# Altium PCB spd150.PcbDoc (part 1 of 16) (continued)
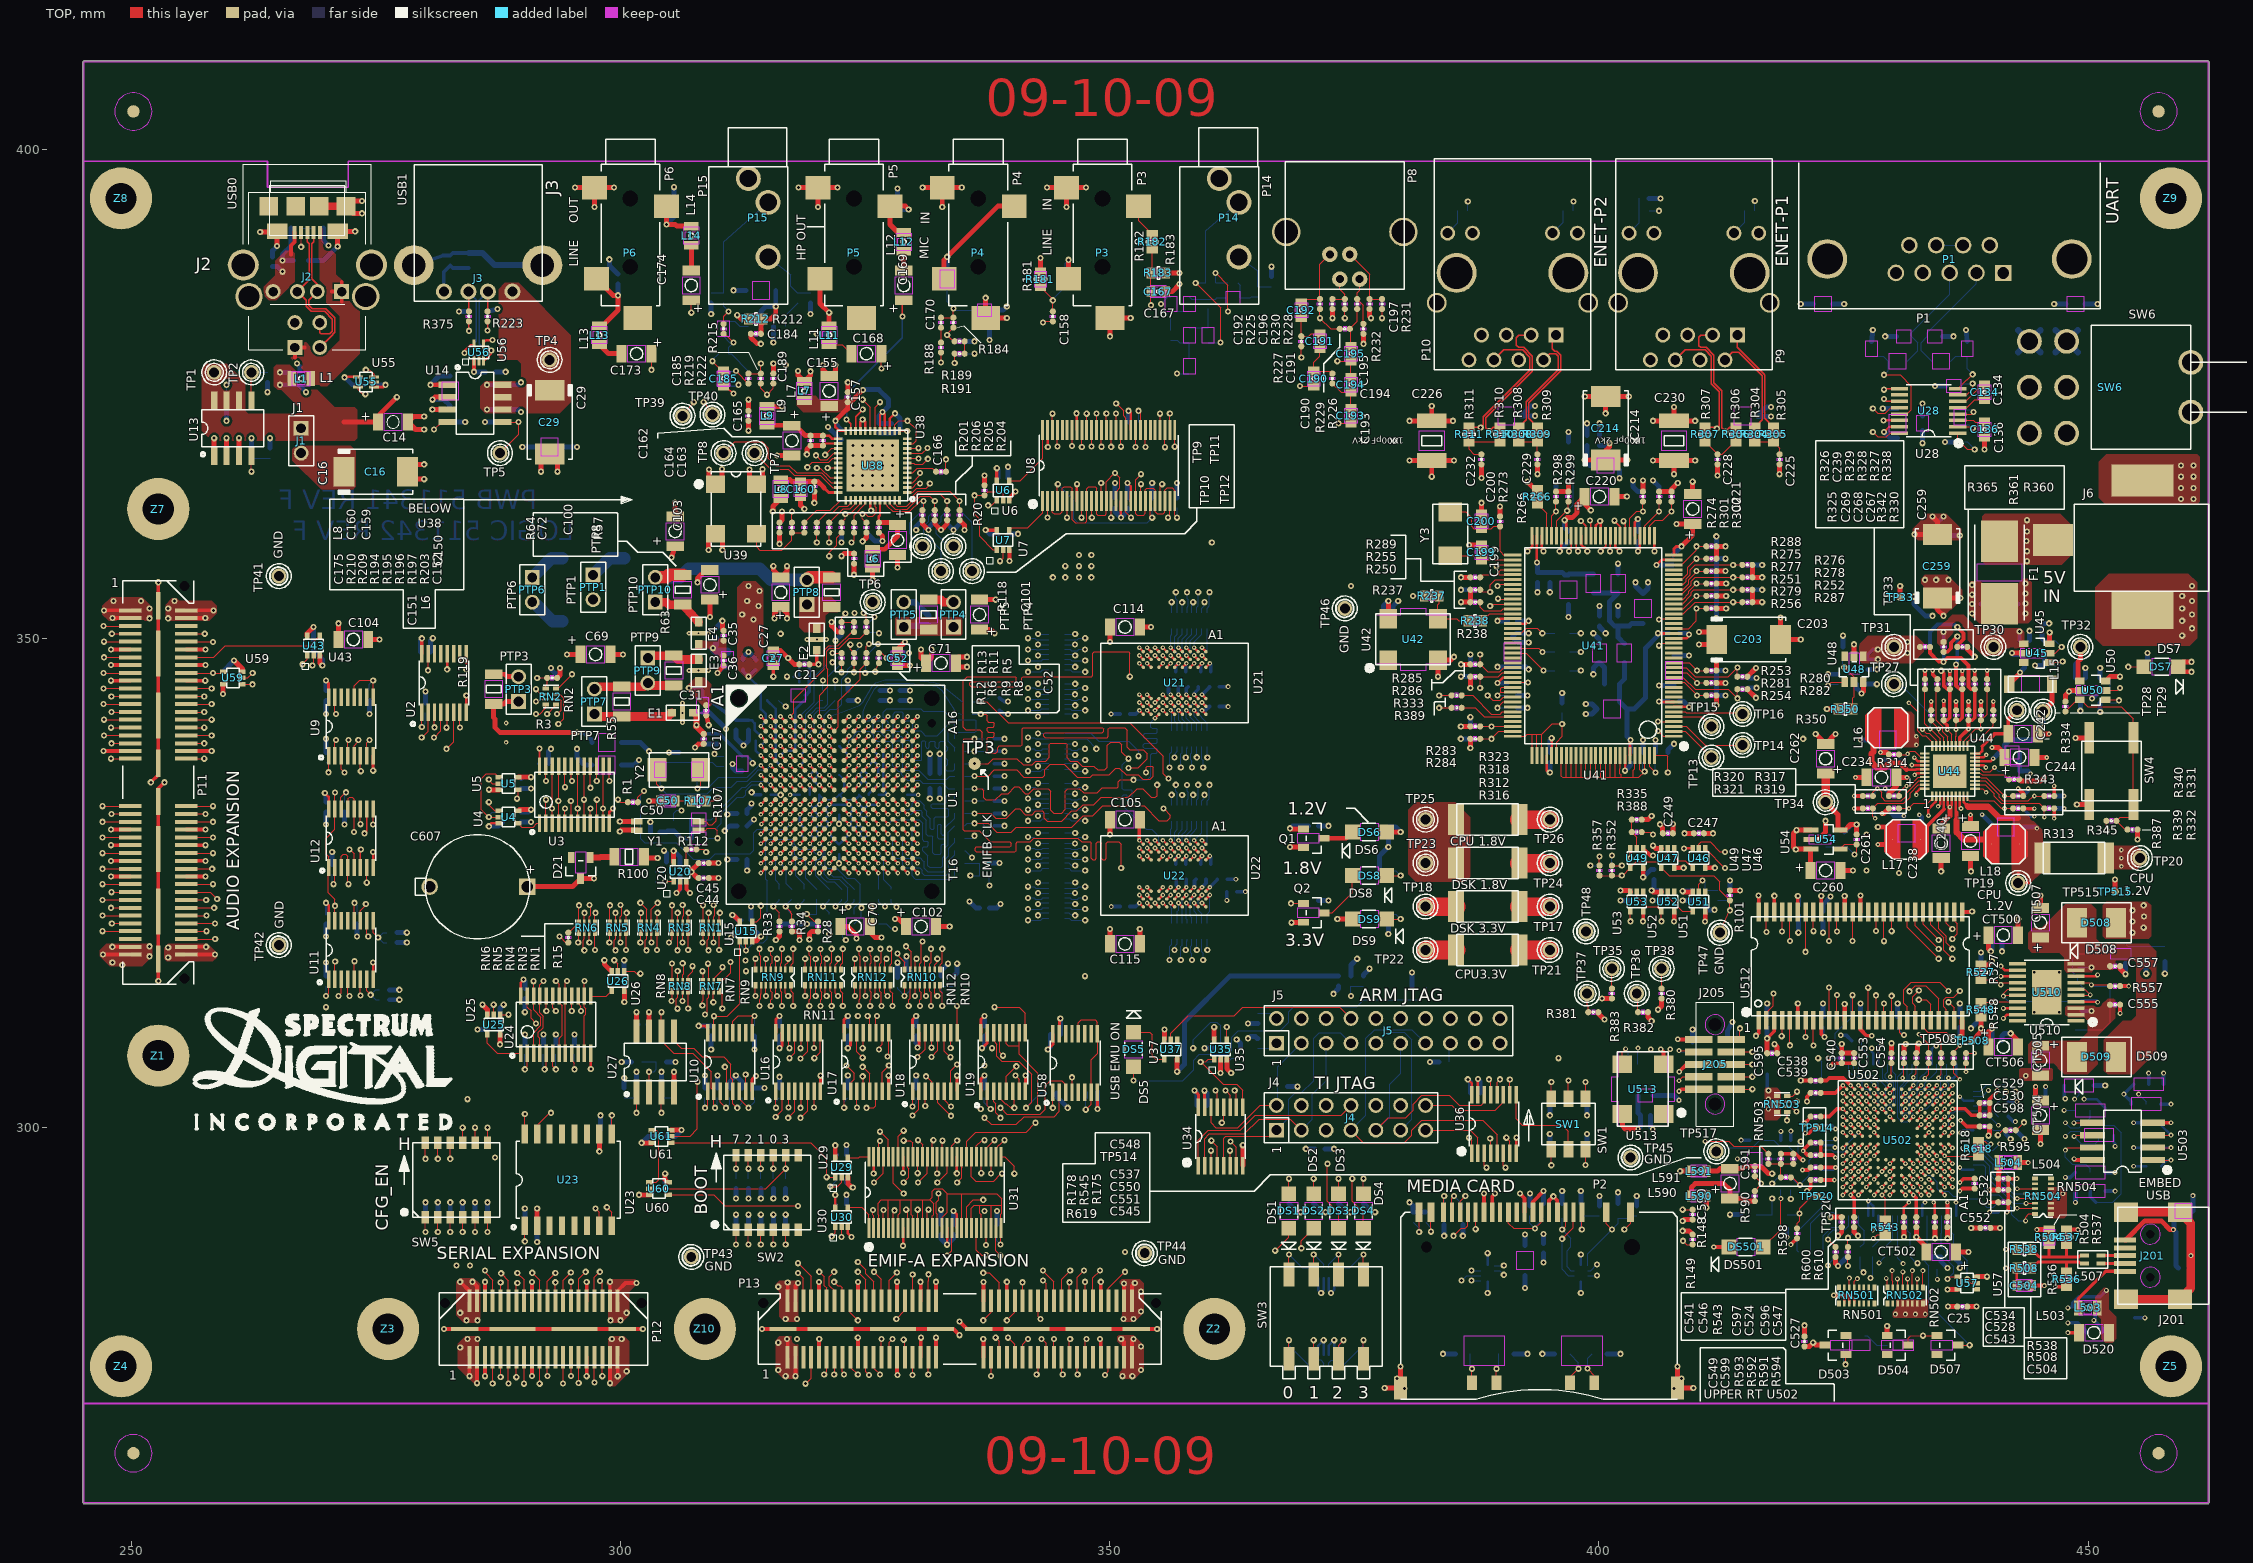
[diagram p0: TOP view]
## Components (designator, comment, footprint, x,y, rotation, side; value= is the part's Value field where it differs from the comment) (continued)
C223 "CAP NP_C402-25_0.1UF" C402-25#1 407.543,358.013 r90 bottom
C224 "CAP NP_C402-25_0.1UF" C402-25#1 396.875,360.426 r90 bottom
C225 "CAP NP_C402-25_0.1UF" C402-25#2 418.465,368.3 r270 top
C226 "CAP NP_EIA1812_1000PF 2KV" EIA1812 382.905,370.205 r180 top
C227 "CAPACITOR POL_0_C1206-40X70-POL" C1206-40X70-POL#1 390.525,372.745 r180 bottom
C228 "CAP NP_C402-25_0.1UF" C402-25#2 412.115,368.3 r270 top
C229 "CAP NP_C402-25_0.1UF" C402-25#2 393.7,368.3 r270 top
C230 "CAP NP_EIA1812_1000PF 2KV" EIA1812 407.67,370.205 r180 top
C231 "CAPACITOR POL_0_C1206-40X70-POL" C1206-40X70-POL#1 414.655,372.745 r180 bottom
C232 "CAP NP_C402-25_0.1UF" C402-25#2 387.985,368.3 r270 top
C233 "CAP NP_2_C402-25_.1UF" C402-25#1 268.605,349.25 r90 bottom
C234 "CAP P_0_C1206-40X70-POL_10UF" C1206-40X70-POL#2 428.879,335.788 r180 top
C235 "CAP NP_C402-25_0.1UF" C402-25#1 430.149,333.883 r0 bottom
C236 "CAP P_0_C1206-40X70_22UF" C1206-40X70#2 429.514,339.598 r0 bottom
C237 "CAP P_0_C1206-40X70_22UF" C1206-40X70#2 431.419,330.073 r180 bottom
C238 "CAP P_0_C1206-40X70-POL_10UF" C1206-40X70-POL#2 434.975,329.057 r270 top
C239 "CAP NP_C402-25_0.001UF" C402-25#2 434.594,345.313 r90 top
C240 "CAP P_0_C1206-40X70-POL_10UF" C1206-40X70-POL#2 437.972,329.286 r270 top
C241 "CAP P_0_C1206-40X70_22UF" C1206-40X70#2 441.579,330.708 r0 bottom
C242 "CAP P_0_C1206-40X70_22UF" C1206-40X70#1 443.357,340.233 r0 top
C243 "CAP P_0_C603-35X45_2.2UF" C603-35X45#1 442.214,338.328 r180 bottom
C244 "CAP P_0_C1206-40X70-POL_10UF" C1206-40X70-POL#2 442.976,337.82 r0 top
C245 "CAP P_0_C603-35X45_2.2UF" C603-35X45#1 442.214,336.423 r180 bottom
C246 "CAP NP_2_C402-25_0.1UF" C402-25#1 443.484,347.853 r270 bottom
C247 "CAP NP_0_C402-25_0.1UF" C402-25#2 410.21,330.073 r180 top
C248 "CAP NP_2_C402-25_0.1UF" C402-25#1 446.024,347.218 r0 bottom
C249 "CAP NP_0_C402-25_0.1UF" C402-25#2 407.035,330.073 r180 top
C250 "CAP NP_2_C402-25_0.1UF" C402-25#1 426.847,345.313 r180 bottom
C251 "CAP NP_0_C402-25_0.1UF" C402-25#1 405.638,325.882 r90 bottom
C252 "CAP NP_2_C402-25_0.1UF" C402-25#1 424.434,345.821 r270 bottom
C253 "CAP NP_2_C402-25_0.1UF" C402-25#1 449.199,344.043 r270 bottom
C254 "CAP NP_2_C402-25_0.1UF" C402-25#1 451.739,343.408 r0 bottom
C255 "CAP NP_2_C402-25_.1UF" C402-25#1 403.225,323.723 r270 bottom
C256 "CAP NP_0_C402-25_0.1UF" C402-25#1 409.575,323.723 r270 bottom
C257 "CAP NP_0_C402-25_0.1UF" C402-25#1 406.4,323.723 r270 bottom
C258 "CAP NP_2_C402-25_1UF" C402-25#1 410.845,323.723 r90 bottom
C259 "CAP P_0_C7343-84X118_47UF" C7343-84X118 434.594,357.378 r90 top
C260 "CAP 10UF CERMC 6.3V 20% 1206_C1" C1206-40X70-POL#2 423.164,326.263 r0 top
C261 "CAP 100NF CERMC 16V 10% 603_C_1" C402-25#2 426.339,329.438 r270 top
C262 "CAP 10UF CERMC 6.3V 20% 1206_C1" C1206-40X70-POL#2 423.164,337.693 r90 top
C263 "CAP NP_0_C402-25_0.1UF" C402-25#1 286.697,377.241 r180 bottom
C264 "CAP NP_0_C402-25_0.1UF" C402-25#1 274.32,375.92 r0 bottom
C265 "CAP NP_2_C402-25_0.1UF" C402-25#1 344.424,309.499 r180 bottom
C266 "CAP NP_2_C402-25_.1UF" C402-25#1 259.334,345.948 r270 bottom
C267 "CAP NP_C402-25_NO-POP" C402-25#2 437.769,342.138 r90 top
C268 "CAP NP_C402-25_0.1UF" C402-25#2 436.499,342.138 r90 top
C269 "CAP NP_C402-25_0.1UF" C402-25#2 435.229,342.138 r90 top
C270 "CAP .1 UF 10% 0603_C402-25_.1UF" C402-25#1 264.414,388.493 r270 bottom
C271 "CAP .1 UF 10% 0603_C402-25_.1UF" C402-25#1 282.575,388.62 r270 bottom
C272 "CAP NP_C402-25_0.01UF" C402-25#4 314.3,338.531 r0 bottom
C273 "CAP NP_C402-25_0.1UF" C402-25#1 304.038,293.751 r0 bottom
C274 "CAP NP_0_C402-25_0.1UF" C402-25#1 304.165,299.085 r180 bottom
C275 "CAP .1 UF 10% 0603_C402-25_NO-P" C402-25#1 304.673,326.644 r270 bottom
C502 "CAP NP_5_C603-35X45_NO-POP" C603-35X45#1 446.024,288.798 r90 bottom
C504 "CAP NP_5_C603-35X45_NO-POP" C603-35X45#2 443.484,283.845 r0 top
C518 "CAP NP_C603-35X45_NO-POP" C603-35X45#1 415.925,296.799 r0 bottom
C524 "CAP NP_5_C402-25_0.1UF" C402-25#2 432.435,290.322 r270 top
C526 "CAP NP_1_C402-25_0.1UF" C402-25#1 440.69,319.024 r180 bottom
C527 "CAP NP_5_C402-25_0.1UF" C402-25#2 421.005,278.13 r90 top
C528 "CAP NP_1_C402-25_0.1UF" C402-25#2 441.325,293.624 r0 top
C529 "CAP NP_5_C402-25_0.1UF" C402-25#2 439.42,302.514 r0 top
C530 "CAP NP_5_C402-25_0.1UF" C402-25#2 439.42,301.244 r0 top
C531 "CAP NP_5_C402-25_0.01UF" C402-25#1 454.279,280.543 r180 bottom
C532 "CAP NP_5_C402-25_0.1UF" C402-25#2 438.404,294.259 r270 top
C534 "CAP NP_C402-25_0.001UF" C402-25#2 441.325,294.767 r0 top
C535 "CAP NP_5_C402-25_0.1UF" C402-25#1 459.74,285.623 r0 bottom
C537 "CAP NP_5_C402-25_0.1UF" C402-25#2 422.148,298.45 r180 top
C538 "CAP NP_5_C402-25_0.1UF" C402-25#2 422.148,304.8 r180 top
C539 "CAP NP_5_C402-25_0.1UF" C402-25#2 422.148,303.53 r180 top
C540 "CAP NP_5_C402-25_0.1UF" C402-25#2 424.815,307.086 r90 top
C541 "CAP NP_5_C402-25_0.1UF" C402-25#2 424.815,290.322 r270 top
C543 "CAP NP_5_C402-25_0.1UF" C402-25#2 441.325,292.354 r0 top
C544 "CAP NP_5_C402-25_0.1UF" C402-25#1 445.135,303.276 r180 bottom
C545 "CAP NP_5_C402-25_0.1UF" C402-25#2 422.148,294.64 r180 top
C546 "CAP NP_5_C402-25_0.1UF" C402-25#2 426.085,290.322 r270 top
C547 "CAP NP_5_C402-25_0.1UF" C402-25#2 435.61,290.322 r270 top
C548 "CAP NP_5_C402-25_0.1UF" C402-25#2 422.148,301.117 r180 top
C549 "CAP NP_5_C402-25_0.1UF" C402-25#2 431.165,307.086 r90 top
C550 "CAP NP_5_C402-25_0.1UF" C402-25#2 422.148,297.18 r180 top
C551 "CAP NP_5_C402-25_0.1UF" C402-25#2 422.148,295.91 r180 top
C552 "CAP NP_5_C402-25_0.1UF" C402-25#2 439.496,289.738 r0 top
C553 "CAP NP_5_C402-25_0.1UF" C402-25#2 426.085,307.086 r90 top
C554 "CAP NP_5_C402-25_0.1UF" C402-25#2 429.895,307.086 r90 top
C555 "CAP NP_4_C402-25_0.1UF" C402-25#2 452.755,312.547 r0 top
C556 "CAP NP_1_C402-25_0.1UF" C402-25#1 440.69,308.864 r180 bottom
C557 "CAP NP_1_C402-25_0.1UF" C402-25#2 452.755,316.484 r0 top
C590 "CAP NP_4_C1206-40X70-POL_10UF" C1206-40X70-POL#2 413.385,294.259 r90 top
C591 "CAP NP_4_C402-25_0.1UF" C402-25#2 415.925,295.529 r90 top
C592 "CAP NP_C402-25_0.1UF" C402-25#1 442.087,299.72 r180 bottom
C593 "CAP NP_C402-25_0.1UF" C402-25#1 419.1,298.704 r0 bottom
C594 "CAP NP_C402-25_0.1UF" C402-25#1 433.705,287.274 r90 bottom
C595 "CAP NP_C402-25_0.1UF" C402-25#2 417.703,307.594 r0 top
C596 "CAP NP_C402-25_0.1UF" C402-25#2 434.34,290.322 r270 top
C597 "CAP NP_C402-25_0.1UF" C402-25#2 431.165,290.322 r270 top
C598 "CAP NP_C402-25_0.1UF" C402-25#2 439.42,300.101 r0 top
C599 "CAP NP_C402-25_0.1UF" C402-25#2 432.435,307.086 r90 top
C600 "CAP NP_1_C402-25_0.1UF" C402-25#1 426.72,310.769 r270 bottom
C601 "CAP NP_1_C402-25_0.1UF" C402-25#1 436.88,310.769 r270 bottom
C602 "CAP NP_1_C402-25_0.1UF" C402-25#1 422.91,310.769 r270 bottom
C603 "CAP NP_1_C402-25_0.1UF" C402-25#1 417.195,310.769 r270 bottom
C604 "CAP NP_1_C402-25_0.1UF" C402-25#1 422.91,321.564 r90 bottom
C605 "CAP NP_1_C402-25_0.1UF" C402-25#1 420.37,322.199 r90 bottom
C606 "CAP NP_1_C402-25_0.1UF" C402-25#1 404.749,301.244 r180 bottom
C607 "CAP_0_C393-6545-H_.33F" C393-6545-H 284.861,324.612 r180 top
CT500 "CAP P_1_C1206-40X70P_33UF" C1206-40X70P 441.325,319.659 r0 top
CT502 "CAP P_1_C1206-40X70P_22UF" C1206-40X70P 434.975,287.274 r180 top
CT504 "CAP P_1_C1206-40X70P_22UF" C1206-40X70P 445.135,301.244 r270 top
CT505 "CAP P_1_C1206-40X70P_22UF" C1206-40X70P 445.135,306.832 r270 top
CT506 "CAP P_1_C1206-40X70P_33UF" C1206-40X70P 441.325,308.229 r0 top
CT507 "CAP P_1_C1206-40X70P_22UF" C1206-40X70P 445.135,320.929 r90 top
D1 "SMCJ6_0.0A_SMC-80X128_SMCJ6A" SMC-80X128 434.594,357.378 r270 bottom
D21 "MMBD4148_0_SOT23-3_MMBD4148" SOT23-3 295.91,326.517 r180 top
D503 "MMBD4148_0_SOT23-28X44_MMBD4148" SOT23-28X44#1 424.18,277.749 r90 top
D504 "MMBD4148_0_SOT23-28X44_MMBD4148" SOT23-28X44#1 430.53,277.749 r270 top
D505 "MMBD4148_0_SOT23-28X44_MMBD4148" SOT23-28X44#2 426.085,277.749 r90 bottom
D506 "MMBD4148_0_SOT23-28X44_MMBD4148" SOT23-28X44#2 430.53,277.749 r90 bottom
D507 "MMBD4148_0_SOT23-28X44_MMBD4148" SOT23-28X44#1 435.61,277.749 r270 top
D508 "DIODE_0_DO214AA-79X110_MURS120T" DO214AA-79X110 450.85,320.929 r0 top
D509 "DIODE_0_DO214AA-79X110_MURS120T" DO214AA-79X110 450.85,307.213 r0 top
D520 "DIODE ZENER_0_MELF1206-40X70_6." MELF1206-40X70 450.596,279.019 r180 top
DS1 "LED_0_LED1206-59X59_LED_GRN" LED1206-59X59 368.3,291.465 r90 top
DS2 "LED_0_LED1206-59X59_LED_GRN" LED1206-59X59 370.84,291.465 r90 top
DS3 "LED_0_LED1206-59X59_LED_GRN" LED1206-59X59 373.38,291.465 r90 top
DS4 "LED_RED_0_LED1206-59X59_LED_GRN" LED1206-59X59 375.92,291.465 r90 top
DS5 "LED_1_LED1206-59X59_GREEN" LED1206-59X59 352.425,307.975 r270 top
DS6 "LED_2_LED1206-59X59_LED GRN" LED1206-59X59 376.555,330.2 r0 top
DS7 "LED_2_LED1206-59X59_LED GRN" LED1206-59X59 457.454,347.091 r180 top
DS8 "LED_2_LED1206-59X59_LED GRN" LED1206-59X59 376.555,325.755 r0 top
DS9 "LED_2_LED1206-59X59_LED GRN" LED1206-59X59 376.555,321.31 r0 top
DS501 "LED_0_LED1206-59X59_LTST-C150GK" LED1206-59X59 415.036,287.782 r0 top
E1 "NFM_1_EMI-NFM21P_NFM21PC474R1C3" EMI-NFM21P 306.324,342.392 r180 top
E2 "NFM_1_EMI-NFM21P_NFM21PC474R1C3" EMI-NFM21P 320.04,349.885 r90 top
E3 "NFM_1_EMI-NFM21P_NFM21PC474R1C3" EMI-NFM21P 307.975,346.71 r90 top
E4 "NFM_1_EMI-NFM21P_NFM21PC474R1C3" EMI-NFM21P 307.975,350.52 r90 top
F1 "F_2.5A_FUSEFOLDER-OMNI-BLOK_F_4" FUSEFOLDER-OMNI-BLOK 440.944,356.743 r270 top
J1 "HEADER 2_JUMP1X2-6040_HEADER 2" JUMP1X2-6040 267.335,370.205 r0 top
J2 "USBCONN3_0_USB_TRIPL-REV2_USB-M" USB_TRIPL-REV2 267.97,389.001 r180 top
J3 "USB-A CONNECTOR_USB_A_SH_USB-A" USB_A_SH 285.443,391.432 r180 top
J4 "14 PIN EMULATION HEADER_1_JUMP2" JUMP2X7-6040 374.65,300.99 r90 top
J5 "HEADER 10X2_JUMP2X10-6040_SAMTE" JUMP2X10-6040 378.46,309.88 r90 top
J6 "PHONEJACK_1_PWR3-RASM712_RASM71" PWR3-RASM712 453.212,359.372 r90 top
J201 "USBMINI_B_SAMTEC-MUSB_USBMINI_B" SAMTEC-MUSB 457.517,286.893 r90 top
J205 "HEADER 5X2_0_CONN2X5-AMP104652_" CONN2X5-AMP104652 411.924,306.451 r270 top
JP501 "JUMPER3_SMT_JUMP3-603-35X45_JUM" JUMP3-603-35X45 450.977,293.497 r0 bottom
JP502 "JUMPER3_SMT_JUMP3-603-35X45_JUM" JUMP3-603-35X45 456.946,304.419 r0 bottom
JP503 "JUMPER3_SMT_JUMP3-603-35X45_JUM" JUMP3-603-35X45 456.692,302.387 r0 bottom
JP504 "JUMPER3_SMT_JUMP3-603-35X45_JUM" JUMP3-603-35X45 448.31,304.292 r180 bottom
JP505 "JUMPER3_SMT_JUMP3-603-35X45_JUM" JUMP3-603-35X45 450.977,295.402 r0 bottom
JP506 "JUMPER3_SMT_JUMP3-603-35X45_JUM" JUMP3-603-35X45 451.866,299.212 r0 bottom
JP507 "JUMPER3_SMT_JUMP3-603-35X45_JUM" JUMP3-603-35X45 450.977,301.752 r0 bottom
JP508 "JUMPER 2_R603-35X45_JUMPER 2" R603-35X45#1 456.692,296.037 r180 bottom
JP509 "JUMPER 2_R603-35X45_JUMPER 2" R603-35X45#1 456.692,297.942 r180 bottom
JP510 "JUMPER 2_R603-35X45_JUMPER 2" R603-35X45#1 456.692,300.482 r180 bottom
L1 "INDUCTOR_3_L805-35X60_BLM21PG22" L805-35X60#1 267.335,376.555 r180 top
L2 "INDUCTOR_0_L805-35X60_BLM21PG22" L805-35X60#2 422.91,384.175 r180 bottom
L3 "INDUCTOR_L805-35X60_1UH" L805-35X60#2 430.53,378.333 r180 bottom
L4 "INDUCTOR_L805-35X60_1UH" L805-35X60#2 434.975,378.333 r0 bottom
L5 "INDUCTOR_0_L805-35X60_BLM21PG22" L805-35X60#2 448.691,384.175 r0 bottom
L6 "INDUCTOR_L805-35X60_BLM21PG221S" L805-35X60#1 325.755,358.14 r90 top
L7 "INDUCTOR_L805-35X60_BLM21PG221S" L805-35X60#1 318.77,375.285 r90 top
L8 "INDUCTOR_L805-35X60_BLM21PG221S" L805-35X60#1 316.357,365.252 r270 top
L9 "INDUCTOR_L805-35X60_BLM21PG221S" L805-35X60#1 314.96,372.745 r90 top
L10 "INDUCTOR_L805-35X60_BLM21PG221S" L805-35X60#2 333.375,386.715 r90 bottom
L11 "INDUCTOR_L805-35X60_BLM21PG221S" L805-35X60#1 321.31,381 r90 top
L12 "INDUCTOR_L805-35X60_BLM21PG221S" L805-35X60#1 328.93,390.525 r90 top
L13 "INDUCTOR_L805-35X60_BLM21PG221S" L805-35X60#1 297.815,381 r90 top
L14 "INDUCTOR_L805-35X60_BLM21PG221S" L805-35X60#1 307.213,391.16 r90 top
L15 "INDUCTOR_0_FB1806-41X70_BLM41P7" FB1806-41X70 444.106,345.3 r0 top
L16 "INDUCTOR_0_IND_VLCF_2.2UH" IND_VLCF 429.514,340.868 r0 top
L17 "INDUCTOR_0_IND_VLCF_2.2UH" IND_VLCF 431.419,329.438 r0 top
L18 "INDUCTOR_0_IND_VLCF_2.2UH" IND_VLCF 441.554,328.981 r180 top
L19 "FBEAD_1_L805-35X60_BLM21PG221SN" L805-35X60#2 400.05,348.488 r90 bottom
L20 "FBEAD_1_L805-35X60_BLM21PG221SN" L805-35X60#2 402.59,348.488 r90 bottom
L21 "FBEAD_1_L805-35X60_BLM21PG221SN" L805-35X60#2 400.685,367.665 r0 bottom
L22 "FBEAD_1_L805-35X60_BLM21PG221SN" L805-35X60#2 399.415,355.6 r270 bottom
L23 "FBEAD_1_L805-35X60_BLM21PG221SN" L805-35X60#2 401.955,355.6 r270 bottom
L24 "INDUCTOR_0_EMI-BLM31P-40X70_BLM" EMI-BLM31P-40X70 298.577,339.344 r0 bottom
L25 "INDUCTOR_0_EMI-BLM31P-40X70_BLM" EMI-BLM31P-40X70 298.577,337.058 r0 bottom
L503 "FERRITE CHIP_L805-35X60_BLM21P2" L805-35X60#1 449.961,281.559 r0 top
L504 "FERRITE CHIP_L805-35X60_BLM21P2" L805-35X60#1 441.833,296.418 r180 top
L505 "FERRITE CHIP_L805-35X60_BLM21P2" L805-35X60#2 459.74,291.465 r180 bottom
L507 "CM CHOKE_EMI-36X15-DLW21_DLW21S" EMI-36X15-DLW21 450.469,286.512 r0 top
L590 "FERRITE CHIP_L603-35X45_30 OHM" L603-35X45#1 410.21,292.989 r0 top
L591 "FERRITE CHIP_L603-35X45_30 OHM" L603-35X45#1 410.21,295.529 r0 top
L592 "FERRITE CHIP_L603-35X45_FERRITE" L603-35X45#2 404.749,303.276 r180 bottom
P1 "DSUB9-MALE_CONN9D-6547-RT-M_DB9" CONN9D-6547-RT-M 435.839,391.16 r0 top
P2 "MMC4_2.0_CONN_CONN-MMC-MHC-W21-" CONN-MMC-MHC-W21-601 393.929,281.732 r0 top
P3 "KYCON ST-3500_0_ST_3500_LINE IN" ST_3500 349.25,391.224 r0 top
P4 "KYCON ST-3500_0_ST_3500_MIC IN" ST_3500 336.55,391.224 r0 top
P5 "KYCON ST-3500_0_ST_3500_HEADPHO" ST_3500 323.85,391.224 r0 top
P6 "KYCON ST-3500_0_ST_3500_LINE OU" ST_3500 300.99,391.224 r0 top
P8 "RJ11-4_0_MOLEX-52018_RJ9-4" MOLEX-52018 374.015,392.201 r180 top
P9 "RJ45_2_CONN8-RT-RJ45-SH-HALO_RJ" CONN8-RT-RJ45-SH-HALO 409.702,388.239 r180 top
P10 "RJ45_2_CONN8-RT-RJ45-SH-HALO_RJ" CONN8-RT-RJ45-SH-HALO 391.16,388.239 r180 top
P11 "QSE-040-01-L-D-A_QSE_040_QSE-04" QSE_040 252.666,335.216 r90 top
P12 "QSE-020-01-L-D-A_0_QSE_020_QSE-" QSE_020 292.163,279.337 r180 top
P13 "QSE-040-01-L-D-A_QSE_040_QSE-04" QSE_040 334.708,279.337 r180 top
P14 "PHONOJACK_ST_1_CUI3533-10070_PH" CUI3533-10070 361.188,393.179 r270 top
P15 "PHONOJACK_ST_1_CUI3533-10070_PH" CUI3533-10070 313.055,393.179 r270 top
PTP1 "PTP2_JUMP1X2-6040_HEADER 2" JUMP1X2-6040 297.18,355.219 r0 top
PTP3 "PTP2_JUMP1X2-6040_HEADER 2" JUMP1X2-6040 289.56,344.805 r180 top
PTP4 "PTP2_JUMP1X2-6040_HEADER 2" JUMP1X2-6040 334.01,352.425 r180 top
PTP5 "PTP2_JUMP1X2-6040_HEADER 2" JUMP1X2-6040 328.93,352.425 r180 top
PTP6 "PTP2_JUMP1X2-6040_HEADER 2" JUMP1X2-6040 290.957,354.965 r0 top
PTP7 "PTP2_JUMP1X2-6040_HEADER 2" JUMP1X2-6040 297.307,343.535 r180 top
PTP8 "PTP2_JUMP1X2-6040_HEADER 2" JUMP1X2-6040 319.024,354.711 r180 top
PTP9 "PTP2_JUMP1X2-6040_HEADER 2" JUMP1X2-6040 302.768,346.71 r0 top
PTP10 "PTP2_JUMP1X2-6040_HEADER 2" JUMP1X2-6040 303.53,354.965 r180 top
Q1 "2N2222_0_SOT23-28X44_FJV3109R" SOT23-28X44#1 370.84,329.565 r270 top
Q2 "2N2222_0_SOT23-28X44_FJV3109R" SOT23-28X44#1 370.84,321.945 r270 top
Q501 "MOSFET N_0_SOT23-28X44-GSD_BSS1" SOT23-28X44-GSD 452.755,317.754 r90 bottom
R1 "R_R402-25_22" R402-25#1 301.244,333.248 r0 top
R2 "R_1_R402-25_NO-POP" R402-25#2 292.989,345.948 r0 bottom
R3 "R_1_R402-25_2K" R402-25#1 292.989,345.948 r0 top
R4 "R_R402-25_22" R402-25#2 325.12,351.155 r90 bottom
R5 "R_R402-25_22" R402-25#1 325.12,351.155 r270 top
R6 "R_R402-25_22" R402-25#1 323.85,347.98 r270 top
R7 "R_R402-25_22" R402-25#2 323.85,347.98 r90 bottom
R8 "R_R402-25_22" R402-25#1 326.39,347.98 r270 top
R9 "R_R402-25_22" R402-25#1 325.12,347.98 r270 top
R10 "R_R402-25_22" R402-25#2 325.12,347.98 r90 bottom
R11 "R_R402-25_22" R402-25#1 323.85,351.155 r270 top
R12 "R_R402-25_22" R402-25#1 322.58,347.98 r270 top
R13 "R_1_R402-25_NO-POP" R402-25#1 322.58,351.155 r90 top
R14 "R_R402-25_22" R402-25#2 322.58,347.98 r90 bottom
R15 "R_R402-25_0" R402-25#1 294.64,319.405 r90 top
R16 "R_R402-25_22" R402-25#2 323.85,351.155 r90 bottom
R17 "R_1_R402-25_2K" R402-25#2 322.58,351.155 r90 bottom
R18 "R_R402-25_2K" R402-25#2 280.035,342.9 r270 bottom
R19 "R_R402-25_2K" R402-25#2 287.909,331.724 r90 bottom
R20 "R_R402-25_2K" R402-25#1 337.185,365.125 r90 top
R21 "R_R402-25_360" R402-25#2 354.33,363.855 r90 bottom
R22 "R_0_R402-25_1K" R402-25#2 352.425,372.11 r0 bottom
R23 "R_R402-25_360" R402-25#2 356.87,363.855 r270 bottom
R24 "R_1_R402-25_20K" R402-25#2 320.04,321.31 r270 bottom
R25 "R_1_R402-25_20K" R402-25#2 316.23,321.31 r270 bottom
R26 "R_1_R402-25_20K" R402-25#2 317.5,321.31 r270 bottom
R27 "R_1_R402-25_22" R402-25#2 320.04,323.85 r270 bottom
R28 "R_1_R402-25_NO-POP" R402-25#1 320.167,320.548 r270 top
R29 "R_1_R402-25_22" R402-25#2 320.675,344.17 r270 bottom
R30 "R_1_R402-25_22" R402-25#2 321.945,344.17 r270 bottom
R31 "R_1_R402-25_22" R402-25#2 316.23,323.85 r90 bottom
R32 "R_1_R402-25_22" R402-25#2 317.5,323.85 r90 bottom
R33 "R_1_R402-25_NO-POP" R402-25#1 316.23,320.548 r90 top
R34 "R_1_R402-25_NO-POP" R402-25#1 317.5,320.548 r90 top
R35 "R_1_R402-25_20K" R402-25#2 276.606,318.897 r0 bottom
R36 "R_1_R402-25_NO-POP" R402-25#2 276.606,319.913 r180 bottom
R37 "R_1_R402-25_20K" R402-25#2 275.844,313.055 r0 bottom
R38 "R_1_R402-25_NO-POP" R402-25#2 275.844,314.071 r180 bottom
R39 "R_1_R402-25_22" R402-25#2 318.77,323.85 r270 bottom
R40 "R_R402-25_2.2K" R402-25#2 312.42,303.53 r90 bottom
R41 "R_R402-25_2.2K" R402-25#2 313.69,303.53 r90 bottom
R42 "R_R402-25_2.2K" R402-25#2 309.88,303.53 r90 bottom
R43 "R_R402-25_2.2K" R402-25#2 311.15,303.53 r90 bottom
R44 "R_R402-25_360" R402-25#2 274.32,344.17 r90 bottom
R45 "R_R402-25_360" R402-25#2 313.69,309.88 r90 bottom
R46 "R_R402-25_2K" R402-25#2 269.875,337.82 r270 bottom
R47 "R_R402-25_2K" R402-25#2 308.61,303.53 r270 bottom
R48 "R_R402-25_360" R402-25#2 273.05,321.31 r90 bottom
R49 "R_R402-25_2K" R402-25#2 269.875,314.96 r270 bottom
R50 "R_R402-25_2K" R402-25#2 270.51,326.39 r270 bottom
R51 "R_R402-25_2K" R402-25#2 271.78,332.74 r90 bottom
R52 "R_R402-25_100K" R402-25#2 266.7,375.92 r180 bottom
R53 "R_R402-25_10K" R402-25#2 263.906,376.682 r270 bottom
R54 "R_R402-25_NO-POP" R402-25#2 264.16,368.935 r90 bottom
R55 "R_R1206-40X70_0.02" R1206-40X70 300.101,343.535 r90 top
R56 "R_R402-25_10K" R402-25#2 262.255,368.935 r270 bottom
R57 "R_R1206-40X70_0.02" R1206-40X70 321.564,354.711 r90 top
R58 "R_R402-25_NO-POP" R402-25#2 266.827,391.922 r0 bottom
R59 "R_R402-25_NO-POP" R402-25#2 269.113,391.922 r0 bottom
R60 "R_R402-25_100K" R402-25#2 288.29,373.38 r180 bottom
R61 "R_R402-25_10K" R402-25#2 287.655,372.11 r180 bottom
R62 "R_R402-25_10K" R402-25#2 282.575,372.11 r0 bottom
R63 "R_R1206-40X70_0.02" R1206-40X70 305.435,346.71 r270 top
R64 "R_R1206-40X70_0.02" R1206-40X70 306.324,354.965 r90 top
R65 "R_R402-25_10K" R402-25#2 321.31,321.31 r270 bottom
R66 "R_R402-25_22" R402-25#2 321.31,323.85 r90 bottom
R67 "R_1_R402-25_20K" R402-25#2 328.295,314.833 r90 bottom
R68 "R_1_R402-25_NO-POP" R402-25#2 329.565,314.833 r90 bottom
R69 "R_R402-25_22" R402-25#2 323.85,323.85 r90 bottom
R70 "R_1_R402-25_20K" R402-25#2 332.74,314.96 r270 bottom
R71 "R_1_R402-25_NO-POP" R402-25#2 334.01,314.96 r270 bottom
R72 "R_R402-25_22" R402-25#2 314.96,321.31 r90 bottom
R73 "R_1_R402-25_20K" R402-25#2 312.166,319.405 r90 bottom
R74 "R_1_R402-25_NO-POP" R402-25#2 313.436,319.405 r270 bottom
R75 "R_R402-25_22" R402-25#2 322.58,323.85 r90 bottom
R76 "R_R402-25_22" R402-25#2 334.645,329.565 r180 bottom
R77 "R_R402-25_22" R402-25#2 323.85,321.31 r90 bottom
R78 "R_R402-25_22" R402-25#2 326.39,321.31 r90 bottom
R79 "R_R402-25_22" R402-25#2 326.39,323.85 r90 bottom
R80 "R_R402-25_22" R402-25#2 322.58,321.31 r90 bottom
R81 "R_1_R402-25_20K" R402-25#2 337.185,325.755 r0 bottom
R82 "R_R402-25_22" R402-25#2 334.645,327.025 r180 bottom
R83 "R_R402-25_2K" R402-25#2 316.23,303.53 r270 bottom
R84 "R_R402-25_2K" R402-25#2 323.215,303.53 r270 bottom
R85 "R_1_R402-25_NO-POP" R402-25#2 337.185,327.025 r180 bottom
R86 "R_R402-25_22" R402-25#2 334.645,328.295 r180 bottom
R87 "R_R402-25_22" R402-25#2 327.66,323.85 r90 bottom
R88 "R_R402-25_2K" R402-25#2 330.2,303.53 r270 bottom
R89 "R_R402-25_2K" R402-25#2 337.185,303.53 r270 bottom
R90 "R_0_R402-25_22" R402-25#2 334.645,335.915 r0 bottom
R91 "R_0_R402-25_22" R402-25#2 334.645,337.185 r0 bottom
R92 "R_0_R402-25_22" R402-25#2 334.645,334.645 r0 bottom
R93 "R_0_R402-25_22" R402-25#2 334.645,330.835 r0 bottom
R94 "R_0_R402-25_22" R402-25#2 335.407,343.535 r0 bottom
R95 "R_0_R402-25_22" R402-25#2 334.645,333.375 r0 bottom
R96 "R_0_R402-25_22" R402-25#2 334.645,338.455 r0 bottom
R97 "R_0_R402-25_22" R402-25#2 334.645,339.725 r0 bottom
R98 "R_0_R402-25_22" R402-25#2 335.407,342.265 r0 bottom
R99 "R_0_R402-25_22" R402-25#2 334.645,332.105 r0 bottom
R100 "R_R1206-40X70_0.02" R1206-40X70 300.863,327.66 r180 top
R101 "R_R402-25_10K" R402-25#1 413.385,323.723 r270 top
R102 "R_R402-25_NO-POP" R402-25#2 413.385,323.723 r270 bottom
R103 "R_2_R402-25_NO-POP" R402-25#2 312.42,334.264 r90 bottom
R104 "R_R402-25_0" R402-25#2 305.435,330.835 r90 bottom
R105 "R_R402-25_NO-POP" R402-25#2 303.53,330.2 r0 bottom
R106 "R_2_R402-25_NO-POP" R402-25#2 310.515,335.28 r90 bottom
R107 "R_R603-35X45_100" R603-35X45#2 307.975,333.375 r180 top
R108 "R_R402-25_0" R402-25#2 310.515,337.439 r90 bottom
R109 "R_R402-25_NO-POP" R402-25#2 305.943,337.82 r270 bottom
R110 "R_R402-25_10K" R402-25#2 394.97,297.815 r90 bottom
R111 "R_R402-25_10K" R402-25#2 394.97,302.895 r270 bottom
R112 "R_R402-25_33" R402-25#1 307.213,328.422 r180 top
R113 "R_R402-25_2.2K" R402-25#2 398.78,297.815 r270 bottom
R114 "R_R402-25_2.2K" R402-25#2 398.78,302.895 r90 bottom
R115 "R_R2512_0.025" R2512#1 300.355,354.965 r90 bottom
R116 "R_R2512_0.025" R2512#1 294.005,354.965 r270 bottom
R117 "R_R402-25_NO-POP" R402-25#2 331.47,351.79 r90 bottom
R118 "R_R1206-40X70_0.02" R1206-40X70 331.47,352.425 r90 top
R119 "R_R1206-40X70_0.02" R1206-40X70 287.02,344.805 r270 top
R120 "R_R402-25_15K" R402-25#2 286.385,382.905 r90 bottom
R121 "R_1_R402-25_2K" R402-25#2 311.785,289.56 r90 bottom
R122 "R_1_R402-25_2K" R402-25#2 313.055,289.56 r90 bottom
R123 "R_1_R402-25_2K" R402-25#2 314.325,289.56 r90 bottom
R124 "R_1_R402-25_20K" R402-25#2 316.865,294.259 r270 bottom
R125 "R_1_R402-25_2K" R402-25#2 315.595,289.56 r90 bottom
R126 "R_1_R402-25_2K" R402-25#2 316.865,289.56 r270 bottom
R127 "R_1_R402-25_20K" R402-25#2 311.785,294.259 r90 bottom
R128 "R_1_R402-25_20K" R402-25#2 313.055,294.259 r90 bottom
R129 "R_1_R402-25_20K" R402-25#2 314.325,294.259 r90 bottom
R130 "R_1_R402-25_20K" R402-25#2 315.595,294.259 r90 bottom
R131 "R_R402-25_10K" R402-25#2 290.195,290.195 r90 bottom
R132 "RESISTOR_1_R402-25_10K" R402-25#2 298.45,299.72 r180 bottom
R133 "RESISTOR_1_R402-25_10K" R402-25#2 290.195,307.975 r270 bottom
R134 "RESISTOR_1_R402-25_10K" R402-25#2 292.1,307.975 r270 bottom
R135 "RESISTOR_1_R402-25_10K" R402-25#2 293.37,307.975 r270 bottom
R136 "RESISTOR_1_R402-25_10K" R402-25#2 295.275,307.975 r270 bottom
R137 "R_R402-25_2K" R402-25#2 286.385,310.515 r90 bottom
R138 "R_R402-25_NO-POP" R402-25#2 301.625,303.53 r90 bottom
R139 "R_R402-25_NO-POP" R402-25#2 304.165,306.705 r0 bottom
R140 "R_R402-25_NO-POP" R402-25#2 304.165,303.53 r90 bottom
R141 "R_1_R402-25_0" R402-25#2 300.355,303.53 r270 bottom
R142 "R_1_R402-25_0" R402-25#2 301.625,306.705 r0 bottom
R143 "R_R402-25_NO-POP" R402-25#2 305.435,303.53 r270 bottom
R144 "R_0_R402-25_330" R402-25#2 368.3,292.735 r270 bottom
R145 "R_0_R402-25_330" R402-25#2 370.84,292.735 r270 bottom
R146 "R_0_R402-25_330" R402-25#2 373.38,292.735 r270 bottom
R147 "R_0_R402-25_330" R402-25#2 375.92,292.735 r270 bottom
R148 "RESISTOR_R402-25_10K" R402-25#1 409.575,291.084 r90 top
R149 "RESISTOR_R402-25_10K" R402-25#1 409.575,288.544 r270 top
R150 "RESISTOR_R402-25_10K" R402-25#2 436.88,370.078 r180 bottom
R151 "R_R402-25_2K" R402-25#2 322.58,294.64 r180 bottom
R152 "R_R402-25_360" R402-25#2 348.234,303.657 r180 bottom
R153 "R_R402-25_360" R402-25#2 338.455,289.56 r270 bottom
R154 "R_1_R603-35X45_51K" R603-35X45#1 401.955,291.465 r90 bottom
R155 "R_1_R603-35X45_51K" R603-35X45#1 398.145,291.465 r90 bottom
R156 "R_1_R603-35X45_51K" R603-35X45#1 394.335,291.465 r90 bottom
R157 "R_1_R603-35X45_51K" R603-35X45#1 396.24,291.465 r90 bottom
R158 "R_1_R603-35X45_51K" R603-35X45#1 384.175,290.83 r270 bottom
R159 "R_1_R603-35X45_51K" R603-35X45#1 386.08,290.83 r270 bottom
R160 "R_1_R603-35X45_51K" R603-35X45#1 400.05,276.86 r0 bottom
R161 "R_1_R603-35X45_51K" R603-35X45#1 396.24,276.86 r180 bottom
R162 "R_1_R603-35X45_51K" R603-35X45#1 390.525,276.86 r0 bottom
R163 "R_1_R603-35X45_51K" R603-35X45#1 386.08,276.86 r180 bottom
R164 "R_1_R402-25_NO-POP" R402-25#2 403.86,291.465 r270 bottom
R165 "R_1_R402-25_NO-POP" R402-25#2 400.05,291.465 r270 bottom
R166 "R_1_R402-25_NO-POP" R402-25#2 392.938,291.465 r270 bottom
R167 "RES_0_DISCRETE_R402-25_10K_1%" R402-25#2 382.27,290.83 r270 bottom
R168 "RES_0_DISCRETE_R402-25_10K_1%" R402-25#2 381,290.83 r270 bottom
R169 "RESISTOR_1_R402-25_10K" R402-25#2 367.665,304.165 r180 bottom
R170 "R_R603-35X45_NO POP" R603-35X45#1 361.315,306.705 r180 bottom
R171 "R_1_R402-25_33" R402-25#2 361.95,308.61 r270 bottom
R172 "RESISTOR_1_R603-35X45_1.5K" R603-35X45#1 415.29,291.084 r180 bottom
R173 "R_1_R603-35X45_150" R603-35X45#1 381.635,314.325 r180 bottom
R174 "RESISTOR_1_R402-25_10K" R402-25#2 374.65,314.96 r270 bottom
R175 "RESISTOR_1_R402-25_10K" R402-25#1 419.862,296.799 r90 top
R176 "R_R402-25_0" R402-25#2 365.125,311.15 r90 bottom
R177 "R_R402-25_0" R402-25#2 365.125,308.61 r270 bottom
R178 "RESISTOR_1_R402-25_NO-POP" R402-25#1 417.322,296.799 r270 top
R179 "RESISTOR_1_R402-25_10K" R402-25#2 384.175,306.705 r0 bottom
R180 "R_0_R603-35X45_5.6K" R603-35X45#1 345.44,386.715 r90 bottom
R181 "R_0_R603-35X45_5.6K" R603-35X45#2 342.9,386.715 r90 top
R182 "R_0_R603-35X45_5.6K" R603-35X45#2 354.33,390.525 r270 top
R183 "R_0_R603-35X45_5.6K" R603-35X45#2 354.965,387.35 r0 top
R184 "R_0_R402-25_330" R402-25#1 334.01,382.27 r270 top
R185 "R_0_R402-25_20K" R402-25#2 321.31,381.635 r90 bottom
R186 "R_0_R402-25_20K" R402-25#2 328.295,394.335 r270 bottom
R187 "R_0_R402-25_47K" R402-25#2 337.185,381.635 r180 bottom
R188 "R_0_R402-25_330" R402-25#1 332.74,379.73 r270 top
R189 "R_0_R402-25_10K" R402-25#1 334.645,380.365 r0 top
R190 "R_0_R402-25_0" R402-25#2 334.645,379.095 r0 bottom
R191 "R_0_R402-25_0" R402-25#1 334.645,379.095 r180 top
R192 "R_0_R402-25_20K" R402-25#2 299.72,386.715 r270 bottom
R193 "R_0_R402-25_20K" R402-25#2 305.435,394.335 r270 bottom
R194 "R_0_R402-25_10" R402-25#1 320.04,361.315 r90 top
R195 "R_0_R402-25_10" R402-25#1 321.31,361.315 r90 top
R196 "R_0_R402-25_10" R402-25#1 322.58,361.315 r90 top
R197 "R_0_R402-25_10" R402-25#1 323.85,361.315 r90 top
R198 "R_0_R402-25_NO-POP" R402-25#2 334.645,362.585 r270 bottom
R199 "R_0_R402-25_NO-POP" R402-25#2 333.375,362.585 r270 bottom
R200 "R_0_R402-25_NO-POP" R402-25#2 332.105,362.585 r270 bottom
R201 "R_0_R402-25_NO-POP" R402-25#1 330.835,362.585 r90 top
R202 "R_0_R402-25_20K" R402-25#2 322.58,361.315 r90 bottom
R203 "R_0_R402-25_NO-POP" R402-25#1 325.12,361.315 r90 top
R204 "R_0_R402-25_NO-POP" R402-25#1 334.645,362.585 r270 top
R205 "R_0_R402-25_NO-POP" R402-25#1 333.375,362.585 r270 top
R206 "R_0_R402-25_2K" R402-25#1 332.105,362.585 r270 top
R207 "R_0_R402-25_2K" R402-25#2 330.835,362.585 r90 bottom
R208 "R_0_R402-25_2K" R402-25#2 325.12,361.315 r90 bottom
R209 "RESISTOR_R402-25_22" R402-25#1 318.77,361.315 r90 top
R210 "RESISTOR_R402-25_22" R402-25#1 317.5,361.315 r270 top
R211 "R_0_R402-25_2.2K" R402-25#2 360.299,386.334 r0 bottom
R212 "R_R603-35X45_1" R603-35X45#2 313.817,382.651 r180 top
R213 "R_0_R402-25_10K 1%" R402-25#2 356.235,381 r270 bottom
R214 "R_0_R402-25_10K 1%" R402-25#2 360.045,384.175 r270 bottom
R215 "R_R402-25_20K" R402-25#1 310.515,381.635 r90 top
R216 "R_0_R402-25_NO-POP" R402-25#2 365.125,385.445 r270 bottom
R217 "R_0_R402-25_0" R402-25#2 362.585,386.334 r180 bottom
R218 "R_R402-25_10K" R402-25#2 310.515,379.095 r180 bottom
R219 "R_R402-25_10K" R402-25#1 313.055,376.555 r90 top
R220 "R_0_R402-25_0" R402-25#2 310.515,384.81 r270 bottom
R221 "R_0_R402-25_0" R402-25#2 318.135,384.81 r270 bottom
R222 "R_R402-25_0" R402-25#1 314.325,376.555 r270 top
R223 "R_R402-25_24.9 1%" R402-25#1 286.385,382.905 r90 top
R224 "R_R402-25_10K" R402-25#2 259.715,374.015 r90 bottom
R225 "R_0_R402-25_2.2K" R402-25#1 371.475,384.175 r90 top
R226 "R_0_R402-25_10K 1%" R402-25#1 372.745,376.555 r270 top
R227 "R_0_R402-25_10K 1%" R402-25#1 369.57,380.365 r270 top
R228 "R_0_R402-25_NO-POP" R402-25#1 375.285,384.175 r90 top
R229 "R_0_R402-25_0" R402-25#1 374.015,381.635 r0 top
R230 "R_0_R402-25_0" R402-25#1 374.015,384.175 r90 top
R231 "R_0_R402-25_0" R402-25#1 377.825,384.175 r90 top
R232 "R_0_R402-25_0" R402-25#1 375.92,381.635 r270 top
R233 "RESISTOR_0_R402-25_1K" R402-25#2 404.622,394.97 r0 bottom
R234 "RESISTOR_0_R402-25_220" R402-25#2 404.622,393.7 r180 bottom
R235 "RESISTOR_0_R402-25_220" R402-25#2 415.417,393.7 r180 bottom
R236 "RESISTOR_0_R402-25_2.2K" R402-25#2 391.16,342.9 r0 bottom
R237 "RESISTOR_0_R603-35X45_49.9" R603-35X45#2 382.905,354.33 r0 top
R238 "RESISTOR_0_R603-35X45_49.9" R603-35X45#2 387.35,351.79 r180 top
R239 "RESISTOR_0_R402-25_220" R402-25#2 386.08,393.7 r180 bottom
R240 "RESISTOR_0_R402-25_220" R402-25#2 396.875,393.7 r180 bottom
R241 "R_R603-35X45_49.9" R603-35X45#1 396.24,350.52 r0 bottom
R242 "R_R603-35X45_49.9" R603-35X45#1 396.24,346.71 r0 bottom
R243 "R_R603-35X45_49.9" R603-35X45#1 396.24,348.615 r0 bottom
R244 "RESISTOR_0_R402-25_NO-POP" R402-25#2 411.48,355.6 r0 bottom
R245 "RESISTOR_0_R402-25_NO-POP" R402-25#2 415.163,354.965 r0 bottom
R246 "RESISTOR_0_R402-25_NO-POP" R402-25#2 411.48,346.71 r0 bottom
R247 "RESISTOR_0_R402-25_NO-POP" R402-25#2 411.48,344.17 r0 bottom
R248 "RESISTOR_0_R402-25_2K" R402-25#2 387.35,354.965 r180 bottom
R249 "RESISTOR_0_R402-25_2K" R402-25#2 411.48,353.06 r0 bottom
R250 "RESISTOR_0_R402-25_0" R402-25#1 387.35,353.695 r0 top
R251 "RESISTOR_0_R402-25_NO-POP" R402-25#1 411.48,355.6 r0 top
R252 "RESISTOR_0_R402-25_NO-POP" R402-25#1 415.163,354.965 r0 top
R253 "RESISTOR_0_R402-25_2K" R402-25#1 411.48,346.71 r0 top
R254 "RESISTOR_0_R402-25_2K" R402-25#1 411.48,344.17 r0 top
R255 "RESISTOR_0_R402-25_NO-POP" R402-25#1 387.35,354.965 r180 top
R256 "RESISTOR_0_R402-25_NO-POP" R402-25#1 411.48,353.06 r0 top
R257 "RESISTOR_0_R402-25_NO-POP" R402-25#2 404.495,364.49 r90 bottom
R258 "RESISTOR_0_R402-25_NO-POP" R402-25#2 411.48,358.14 r0 bottom
R259 "RESISTOR_0_R402-25_2K" R402-25#2 415.163,357.505 r0 bottom
R260 "RESISTOR_0_R402-25_2K" R402-25#2 411.48,356.87 r0 bottom
R261 "RESISTOR_0_R402-25_NO-POP" R402-25#2 415.163,356.235 r0 bottom
R262 "RESISTOR_0_R402-25_NO-POP" R402-25#2 411.48,354.33 r0 bottom
R263 "RESISTOR_0_R402-25_2K" R402-25#2 414.655,346.075 r0 bottom
R264 "RESISTOR_0_R402-25_2K" R402-25#2 411.48,345.44 r0 bottom
R265 "RESISTOR_0_R402-25_NO-POP" R402-25#2 414.655,344.805 r0 bottom
R266 "RESISTOR_0_R603-35X45_3.01K" R603-35X45#2 393.7,364.49 r270 top
R267 "RESISTOR_0_R402-25_NO-POP" R402-25#2 387.35,340.995 r180 bottom
R268 "RESISTOR_0_R402-25_2K" R402-25#2 387.35,339.725 r180 bottom
R269 "RESISTOR_0_R402-25_2K" R402-25#2 387.35,347.345 r180 bottom
R270 "RESISTOR_0_R402-25_NO-POP" R402-25#2 387.35,346.075 r180 bottom
R271 "RESISTOR_0_R402-25_2K" R402-25#2 415.163,353.695 r0 bottom
R272 "RESISTOR_0_R402-25_NO-POP" R402-25#2 411.48,359.41 r0 bottom
R273 "RESISTOR_0_R402-25_10K" R402-25#1 389.89,361.95 r270 top

## Text inside footprints (layer, text, board x,y; h text height)
R609: PIN_NUMBER "2" at 423.977,286.766 h0.51 r90; PIN_NUMBER "1" at 423.977,287.782 h0.51 r90; ASSEMBLY_BOTTOM "33" at 424.18,287.274 h0.64 r90; ASSEMBLY_BOTTOM "TOLERANCE" at 426.72,287.274 h0.64 r90; ASSEMBLY_BOTTOM "USERPART#" at 427.99,287.274 h0.64 r90; SYMBOL_PART_DIM "PAD 35X32 OV" at 428.955,290.398 h0.64 r90; SYMBOL_PART_DIM "C402-35X32" at 427.685,290.398 h0.64 r90; SYMBOL_PART_DIM "0" at 426.314,287.477 h0.64 r90; SYMBOL_PART_DIM "0" at 424.51,289.611 h0.64 r90
R610: PIN_NUMBER "2" at 425.247,286.766 h0.51 r270; PIN_NUMBER "1" at 425.247,287.782 h0.51 r270; ASSEMBLY_TOP "33" at 425.45,287.274 h0.64 r270; ASSEMBLY_TOP "TOLERANCE" at 422.91,287.274 h0.64 r270; ASSEMBLY_TOP "USERPART#" at 421.64,287.274 h0.64 r270; SYMBOL_PART_DIM "PAD 35X32 OV" at 420.675,290.398 h0.64 r270; SYMBOL_PART_DIM "C402-35X32" at 421.945,290.398 h0.64 r270; SYMBOL_PART_DIM "0" at 423.316,287.477 h0.64 r270; SYMBOL_PART_DIM "0" at 425.12,289.611 h0.64 r270
R611: PIN_NUMBER "2" at 417.297,291.084 h1.02; PIN_NUMBER "1" at 418.821,291.084 h1.02; SYMB_DIM "0" at 422.148,290.576 h1.02; SYMB_DIM "0" at 418.973,287.528 h1.02; SYMB_DIM "R603-35X45" at 423.799,295.91 h1.02; SYMB_DIM "SP  35X45OV" at 413.766,289.687 h1.02; SYMB_DIM "SM  43X53OV" at 413.766,291.465 h1.02; SYMB_DIM "PAD 35X45OV" at 413.766,292.989 h1.02; ASSEMBLY_BOTTOM "X" at 417.449,290.703 h1.02; ASSEMBLY_BOTTOM "X" at 418.338,290.703 h1.02; ASSEMBLY_BOTTOM "100" at 419.1,290.703 h1.02
R612: PIN_NUMBER "1" at 440.614,292.354 h0.51 r90; PIN_NUMBER "2" at 440.614,291.338 h0.51 r90; ASSEMBLY_BOTTOM "10K" at 440.817,291.846 h0.64 r90; ASSEMBLY_BOTTOM "TOLERANCE" at 443.357,291.846 h0.64 r90; ASSEMBLY_BOTTOM "USERPART#" at 444.627,291.846 h0.64 r90; SYMBOL_PART_DIM "PAD 35X32 OV" at 445.592,294.97 h0.64 r90; SYMBOL_PART_DIM "C402-35X32" at 444.322,294.97 h0.64 r90; SYMBOL_PART_DIM "0" at 442.951,292.049 h0.64 r90; SYMBOL_PART_DIM "0" at 441.147,294.183 h0.64 r90
R613: PIN_NUMBER "2" at 430.327,311.277 h0.51 r270; PIN_NUMBER "1" at 430.327,310.261 h0.51 r270; ASSEMBLY_BOTTOM "10K" at 430.53,310.769 h0.64 r270; ASSEMBLY_BOTTOM "TOLERANCE" at 427.99,310.769 h0.64 r270; ASSEMBLY_BOTTOM "USERPART#" at 426.72,310.769 h0.64 r270; SYMBOL_PART_DIM "PAD 35X32 OV" at 425.755,307.645 h0.64 r270; SYMBOL_PART_DIM "C402-35X32" at 427.025,307.645 h0.64 r270; SYMBOL_PART_DIM "0" at 428.396,310.566 h0.64 r270; SYMBOL_PART_DIM "0" at 430.2,308.432 h0.64 r270
R614: PIN_NUMBER "1" at 425.628,308.864 h0.51 r180; PIN_NUMBER "2" at 426.644,308.864 h0.51 r180; ASSEMBLY_BOTTOM "10K" at 426.339,308.864 h0.64 r180; ASSEMBLY_BOTTOM "TOLERANCE" at 426.339,311.404 h0.64 r180; ASSEMBLY_BOTTOM "USERPART#" at 426.339,312.674 h0.64 r180; SYMBOL_PART_DIM "PAD 35X32 OV" at 423.215,313.639 h0.64 r180; SYMBOL_PART_DIM "C402-35X32" at 423.215,312.369 h0.64 r180; SYMBOL_PART_DIM "0" at 426.136,310.998 h0.64 r180; SYMBOL_PART_DIM "0" at 424.002,309.194 h0.64 r180
R615: PIN_NUMBER "1" at 441.63,302.641 h0.51; PIN_NUMBER "2" at 440.614,302.641 h0.51; ASSEMBLY_BOTTOM "10K" at 441.325,302.641 h0.64; ASSEMBLY_BOTTOM "TOLERANCE" at 441.325,300.101 h0.64; ASSEMBLY_BOTTOM "USERPART#" at 441.325,298.831 h0.64; SYMBOL_PART_DIM "PAD 35X32 OV" at 444.449,297.866 h0.64; SYMBOL_PART_DIM "C402-35X32" at 444.449,299.136 h0.64; SYMBOL_PART_DIM "0" at 441.528,300.507 h0.64; SYMBOL_PART_DIM "0" at 443.662,302.311 h0.64
R616: PIN_NUMBER "1" at 441.63,301.117 h0.51; PIN_NUMBER "2" at 440.614,301.117 h0.51; ASSEMBLY_BOTTOM "10K" at 441.325,301.117 h0.64; ASSEMBLY_BOTTOM "TOLERANCE" at 441.325,298.577 h0.64; ASSEMBLY_BOTTOM "USERPART#" at 441.325,297.307 h0.64; SYMBOL_PART_DIM "PAD 35X32 OV" at 444.449,296.342 h0.64; SYMBOL_PART_DIM "C402-35X32" at 444.449,297.612 h0.64; SYMBOL_PART_DIM "0" at 441.528,298.983 h0.64; SYMBOL_PART_DIM "0" at 443.662,300.787 h0.64
R617: PIN_NUMBER "2" at 402.768,306.451 h0.51; PIN_NUMBER "1" at 403.784,306.451 h0.51; ASSEMBLY_BOTTOM "33" at 403.479,306.451 h0.64; ASSEMBLY_BOTTOM "TOLERANCE" at 403.479,303.911 h0.64; ASSEMBLY_BOTTOM "USERPART#" at 403.479,302.641 h0.64; SYMBOL_PART_DIM "PAD 35X32 OV" at 406.603,301.676 h0.64; SYMBOL_PART_DIM "C402-35X32" at 406.603,302.946 h0.64; SYMBOL_PART_DIM "0" at 403.682,304.317 h0.64; SYMBOL_PART_DIM "0" at 405.816,306.121 h0.64
R618: PIN_NUMBER "2" at 438.379,297.053 h1.02 r270; PIN_NUMBER "1" at 438.379,298.577 h1.02 r270; ASSEMBLY_TOP "X" at 438.404,296.799 h1.02 r270; ASSEMBLY_TOP "X" at 438.404,297.688 h1.02 r270; ASSEMBLY_TOP "100" at 438.404,298.45 h1.02 r270; SYMB_DIM "0" at 438.277,301.498 h1.02 r270; SYMB_DIM "0" at 435.229,298.323 h1.02 r270; SYMB_DIM "R603-35X45" at 443.611,303.149 h1.02 r270; SYMB_DIM "SP  35X45OV" at 437.388,293.116 h1.02 r270; SYMB_DIM "SM  43X53OV" at 439.166,293.116 h1.02 r270; SYMB_DIM "PAD 35X45OV" at 440.69,293.116 h1.02 r270
R619: PIN_NUMBER "2" at 418.389,294.894 h0.51 r180; PIN_NUMBER "1" at 419.405,294.894 h0.51 r180; ASSEMBLY_TOP "33" at 419.1,294.894 h0.64 r180; ASSEMBLY_TOP "TOLERANCE" at 419.1,297.434 h0.64 r180; ASSEMBLY_TOP "USERPART#" at 419.1,298.704 h0.64 r180; SYMBOL_PART_DIM "PAD 35X32 OV" at 422.224,299.669 h0.64 r180; SYMBOL_PART_DIM "C402-35X32" at 422.224,298.399 h0.64 r180; SYMBOL_PART_DIM "0" at 419.303,297.028 h0.64 r180; SYMBOL_PART_DIM "0" at 421.437,295.224 h0.64 r180
R620: PIN_NUMBER "1" at 419.405,294.894 h0.51; PIN_NUMBER "2" at 418.389,294.894 h0.51; ASSEMBLY_BOTTOM "33" at 419.1,294.894 h0.64; ASSEMBLY_BOTTOM "TOLERANCE" at 419.1,292.354 h0.64; ASSEMBLY_BOTTOM "USERPART#" at 419.1,291.084 h0.64; SYMBOL_PART_DIM "PAD 35X32 OV" at 422.224,290.119 h0.64; SYMBOL_PART_DIM "C402-35X32" at 422.224,291.389 h0.64; SYMBOL_PART_DIM "0" at 419.303,292.76 h0.64; SYMBOL_PART_DIM "0" at 421.437,294.564 h0.64
R621: PIN_NUMBER "1" at 337.998,335.915 h0.51; PIN_NUMBER "2" at 336.982,335.915 h0.51; ASSEMBLY_BOTTOM "10K" at 337.693,335.915 h0.64; ASSEMBLY_BOTTOM "TOLERANCE" at 337.693,333.375 h0.64; ASSEMBLY_BOTTOM "USERPART#" at 337.693,332.105 h0.64; SYMBOL_PART_DIM "PAD 35X32 OV" at 340.817,331.14 h0.64; SYMBOL_PART_DIM "C402-35X32" at 340.817,332.41 h0.64; SYMBOL_PART_DIM "0" at 337.896,333.781 h0.64; SYMBOL_PART_DIM "0" at 340.03,335.585 h0.64
R622: PIN_NUMBER "1" at 337.998,337.185 h0.51; PIN_NUMBER "2" at 336.982,337.185 h0.51; ASSEMBLY_BOTTOM "10K" at 337.693,337.185 h0.64; ASSEMBLY_BOTTOM "TOLERANCE" at 337.693,334.645 h0.64; ASSEMBLY_BOTTOM "USERPART#" at 337.693,333.375 h0.64; SYMBOL_PART_DIM "PAD 35X32 OV" at 340.817,332.41 h0.64; SYMBOL_PART_DIM "C402-35X32" at 340.817,333.68 h0.64; SYMBOL_PART_DIM "0" at 337.896,335.051 h0.64; SYMBOL_PART_DIM "0" at 340.03,336.855 h0.64
R623: PIN_NUMBER "1" at 337.998,334.645 h0.51; PIN_NUMBER "2" at 336.982,334.645 h0.51; ASSEMBLY_BOTTOM "10K" at 337.693,334.645 h0.64; ASSEMBLY_BOTTOM "TOLERANCE" at 337.693,332.105 h0.64; ASSEMBLY_BOTTOM "USERPART#" at 337.693,330.835 h0.64; SYMBOL_PART_DIM "PAD 35X32 OV" at 340.817,329.87 h0.64; SYMBOL_PART_DIM "C402-35X32" at 340.817,331.14 h0.64; SYMBOL_PART_DIM "0" at 337.896,332.511 h0.64; SYMBOL_PART_DIM "0" at 340.03,334.315 h0.64
R624: PIN_NUMBER "1" at 337.998,330.835 h0.51; PIN_NUMBER "2" at 336.982,330.835 h0.51; ASSEMBLY_BOTTOM "10K" at 337.693,330.835 h0.64; ASSEMBLY_BOTTOM "TOLERANCE" at 337.693,328.295 h0.64; ASSEMBLY_BOTTOM "USERPART#" at 337.693,327.025 h0.64; SYMBOL_PART_DIM "PAD 35X32 OV" at 340.817,326.06 h0.64; SYMBOL_PART_DIM "C402-35X32" at 340.817,327.33 h0.64; SYMBOL_PART_DIM "0" at 337.896,328.701 h0.64; SYMBOL_PART_DIM "0" at 340.03,330.505 h0.64
R625: PIN_NUMBER "1" at 338.506,343.916 h0.51; PIN_NUMBER "2" at 337.49,343.916 h0.51; ASSEMBLY_BOTTOM "10K" at 338.201,343.916 h0.64; ASSEMBLY_BOTTOM "TOLERANCE" at 338.201,341.376 h0.64; ASSEMBLY_BOTTOM "USERPART#" at 338.201,340.106 h0.64; SYMBOL_PART_DIM "PAD 35X32 OV" at 341.325,339.141 h0.64; SYMBOL_PART_DIM "C402-35X32" at 341.325,340.411 h0.64; SYMBOL_PART_DIM "0" at 338.404,341.782 h0.64; SYMBOL_PART_DIM "0" at 340.538,343.586 h0.64
R626: PIN_NUMBER "1" at 337.998,333.375 h0.51; PIN_NUMBER "2" at 336.982,333.375 h0.51; ASSEMBLY_BOTTOM "10K" at 337.693,333.375 h0.64; ASSEMBLY_BOTTOM "TOLERANCE" at 337.693,330.835 h0.64; ASSEMBLY_BOTTOM "USERPART#" at 337.693,329.565 h0.64; SYMBOL_PART_DIM "PAD 35X32 OV" at 340.817,328.6 h0.64; SYMBOL_PART_DIM "C402-35X32" at 340.817,329.87 h0.64; SYMBOL_PART_DIM "0" at 337.896,331.241 h0.64; SYMBOL_PART_DIM "0" at 340.03,333.045 h0.64
R627: PIN_NUMBER "1" at 337.998,338.455 h0.51; PIN_NUMBER "2" at 336.982,338.455 h0.51; ASSEMBLY_BOTTOM "10K" at 337.693,338.455 h0.64; ASSEMBLY_BOTTOM "TOLERANCE" at 337.693,335.915 h0.64; ASSEMBLY_BOTTOM "USERPART#" at 337.693,334.645 h0.64; SYMBOL_PART_DIM "PAD 35X32 OV" at 340.817,333.68 h0.64; SYMBOL_PART_DIM "C402-35X32" at 340.817,334.95 h0.64; SYMBOL_PART_DIM "0" at 337.896,336.321 h0.64; SYMBOL_PART_DIM "0" at 340.03,338.125 h0.64
R628: PIN_NUMBER "1" at 337.998,339.725 h0.51; PIN_NUMBER "2" at 336.982,339.725 h0.51; ASSEMBLY_BOTTOM "10K" at 337.693,339.725 h0.64; ASSEMBLY_BOTTOM "TOLERANCE" at 337.693,337.185 h0.64; ASSEMBLY_BOTTOM "USERPART#" at 337.693,335.915 h0.64; SYMBOL_PART_DIM "PAD 35X32 OV" at 340.817,334.95 h0.64; SYMBOL_PART_DIM "C402-35X32" at 340.817,336.22 h0.64; SYMBOL_PART_DIM "0" at 337.896,337.591 h0.64; SYMBOL_PART_DIM "0" at 340.03,339.395 h0.64
R629: PIN_NUMBER "1" at 338.506,342.646 h0.51; PIN_NUMBER "2" at 337.49,342.646 h0.51; ASSEMBLY_BOTTOM "10K" at 338.201,342.646 h0.64; ASSEMBLY_BOTTOM "TOLERANCE" at 338.201,340.106 h0.64; ASSEMBLY_BOTTOM "USERPART#" at 338.201,338.836 h0.64; SYMBOL_PART_DIM "PAD 35X32 OV" at 341.325,337.871 h0.64; SYMBOL_PART_DIM "C402-35X32" at 341.325,339.141 h0.64; SYMBOL_PART_DIM "0" at 338.404,340.512 h0.64; SYMBOL_PART_DIM "0" at 340.538,342.316 h0.64
R630: PIN_NUMBER "1" at 337.998,332.105 h0.51; PIN_NUMBER "2" at 336.982,332.105 h0.51; ASSEMBLY_BOTTOM "10K" at 337.693,332.105 h0.64; ASSEMBLY_BOTTOM "TOLERANCE" at 337.693,329.565 h0.64; ASSEMBLY_BOTTOM "USERPART#" at 337.693,328.295 h0.64; SYMBOL_PART_DIM "PAD 35X32 OV" at 340.817,327.33 h0.64; SYMBOL_PART_DIM "C402-35X32" at 340.817,328.6 h0.64; SYMBOL_PART_DIM "0" at 337.896,329.971 h0.64; SYMBOL_PART_DIM "0" at 340.03,331.775 h0.64